# EAGLE board Mk4 Final Panel (EAGLE 9.0.1), part 9 of 18 (continued)
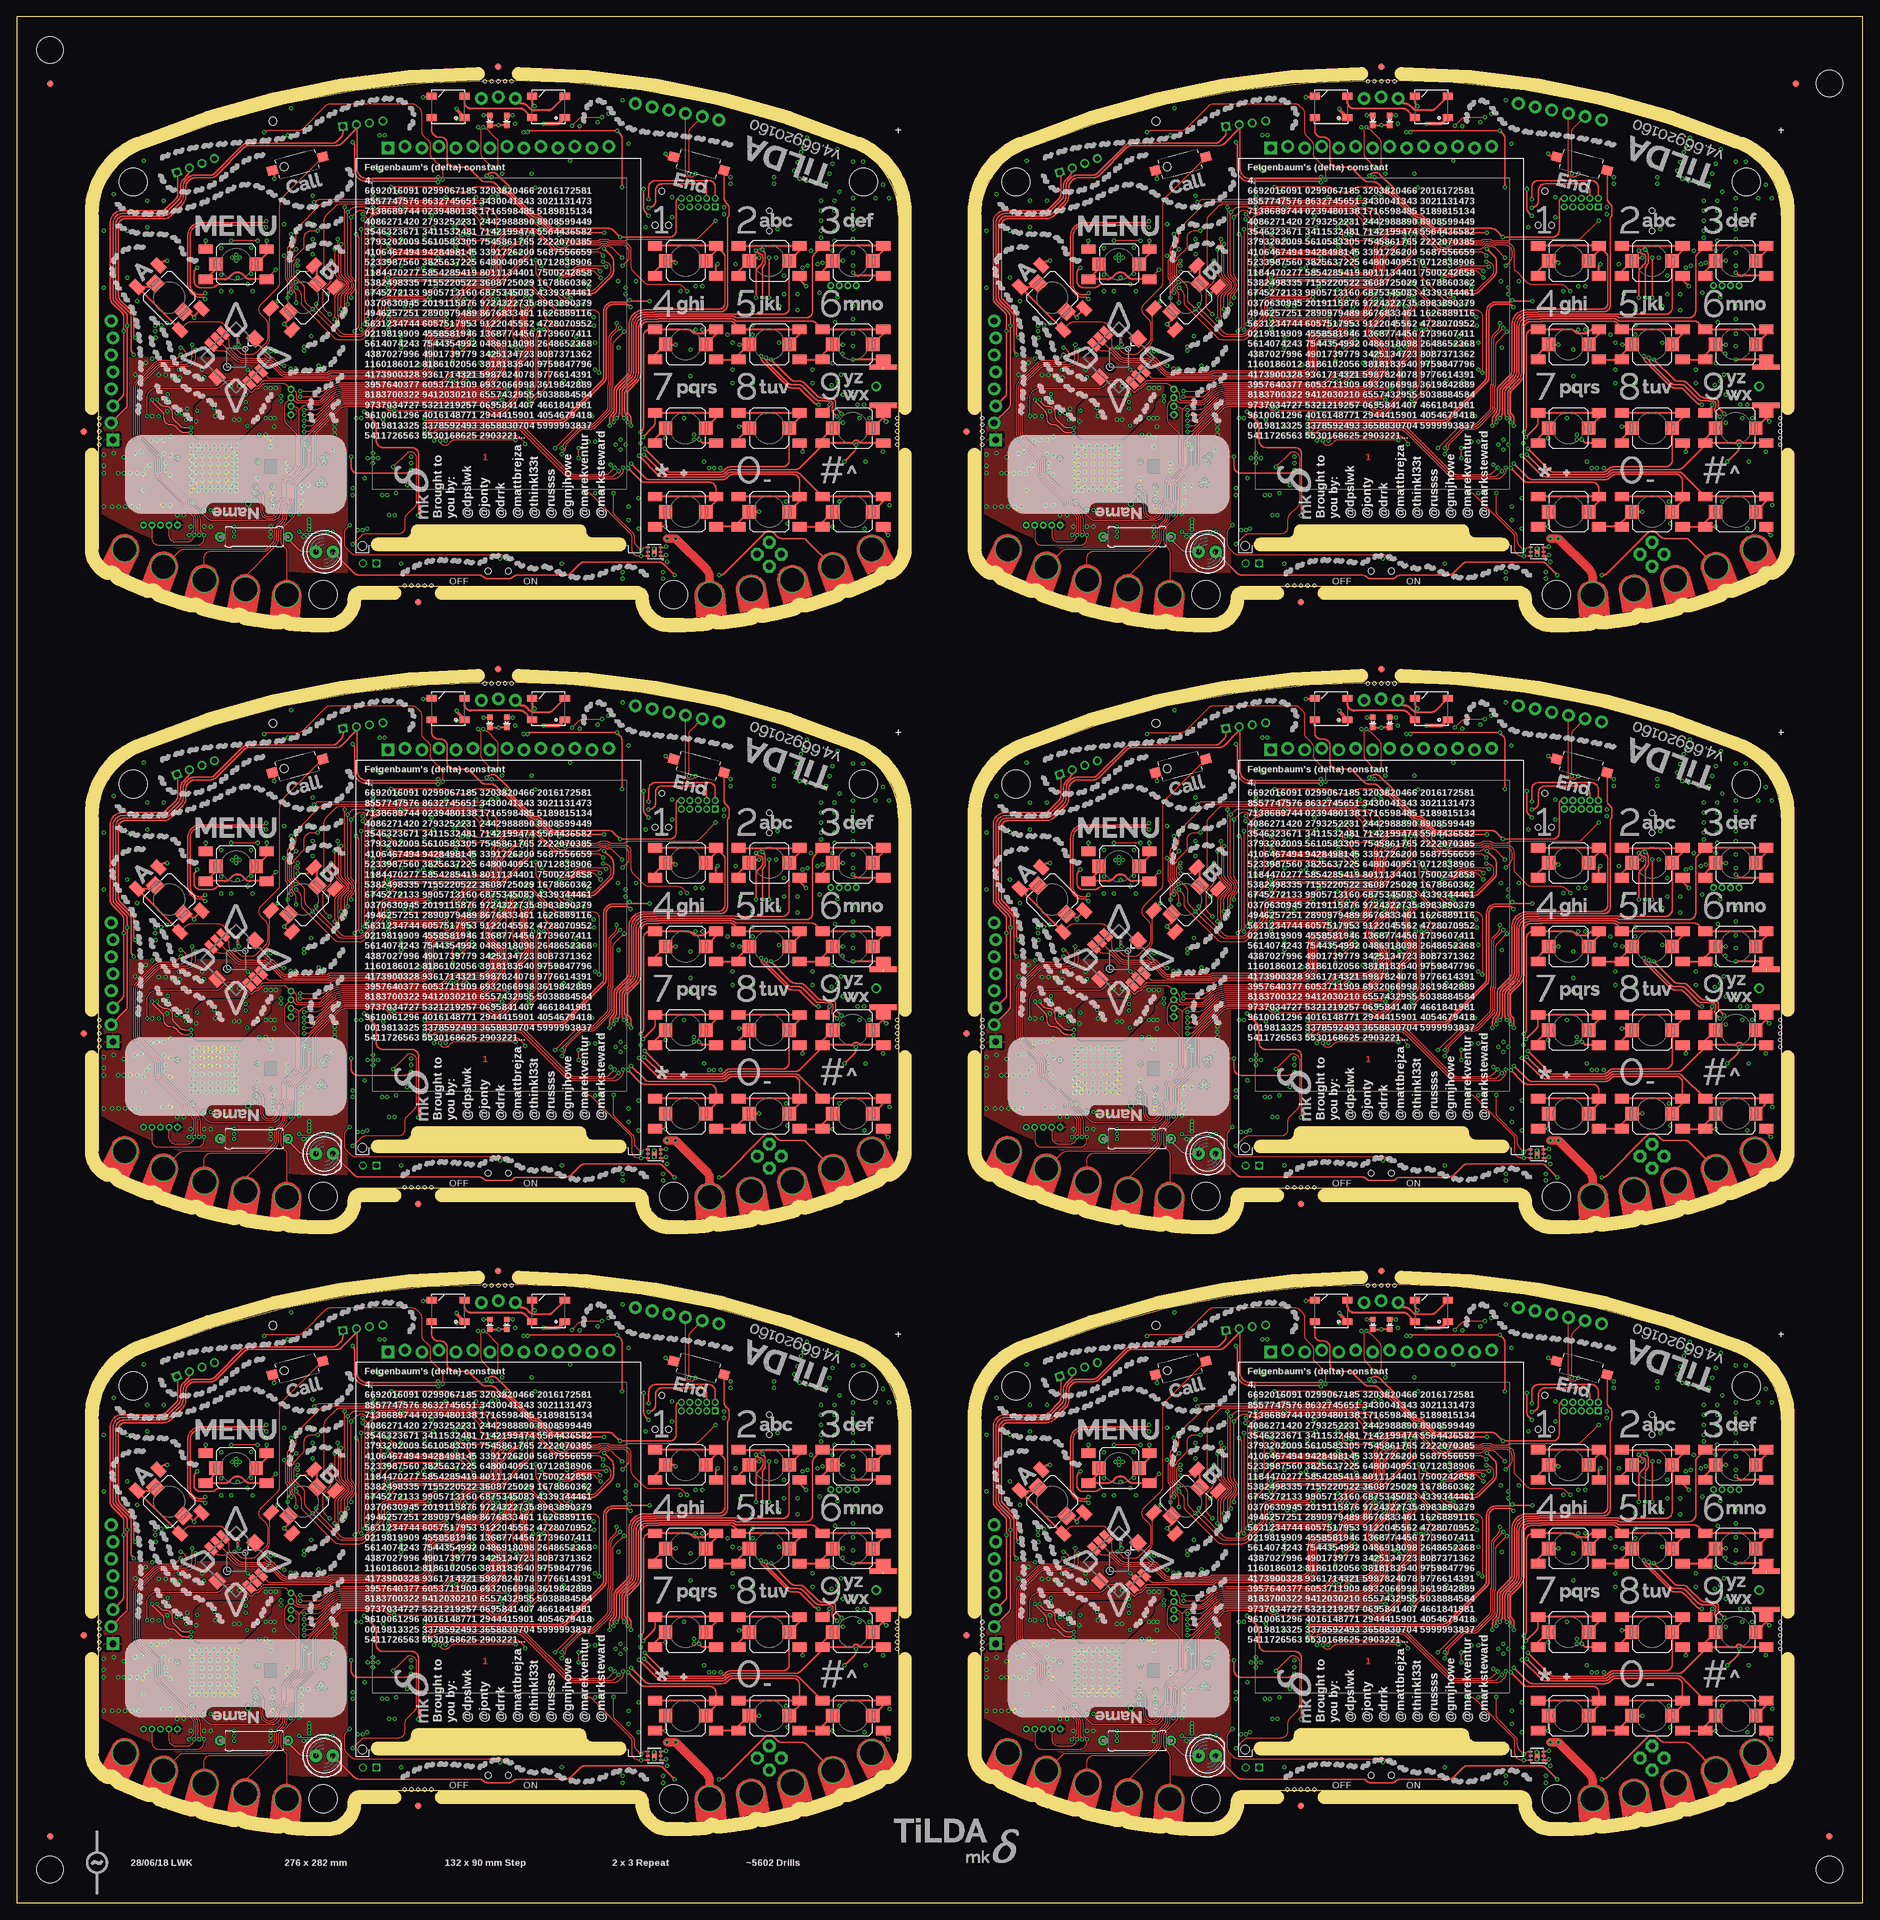
[diagram p0: board, top side]
## Tracks (layer width: path | path; a pad name or v marks a point on that pad's centre or on a via) (continued)
  pour Bottom (rank 2, no thermals): 245.5,135 247,135 247,132.5 246.41,132.5 arc45 245.71,132.21 245.29,131.79 arc45 245,131.09 245,129 arc-90 244,128 233.5,128 arc-90 232.5,129 arc-90 233.5,130 241.75,130 arc90 242.75,131 242.75,131.09 arc-45 243.04,131.79 243.71,132.46 arc-45 244.41,132.75 244.59,132.75 arc45 245.29,133.04 245.5,133.25
  pour Bottom (no thermals): 195.5,141.5 195.5,140.2 195.3,140 195.2,140 195,140.2 195,141.25 194.5,141.75 194.5,143.3 194.7,143.5 195.05,143.5 195.25,143.3 195.25,141.75
  pour Bottom: 167.55,150.95 167.55,156.95 arc90 166.55,157.95 163.05,157.95 arc90 162.05,156.95 162.05,150.95 arc90 163.05,149.95 166.55,149.95 arc90
  pour Bottom (no thermals): 181.4,129 181.4,130.1 181.2,130.3 181.2,131.05 181,131.25 179.75,131.25 179.25,130.75 179.25,129.25 179.5,129
  pour Bottom (no thermals): 175.9,116.8 175.9,114.3 arc-90 175.4,113.8 174.45,113.8 arc-90 173.95,114.3 173.95,121.65 arc-90 174.45,122.15 175.55,122.15 arc-90 176.05,121.65 176.05,118.1 arc90 176.55,117.6 177.8,117.6 177.85,117.55 177.85,116.9 177.75,116.8
  pour Top (rank 6): 144.2,141 144.2,118 arc34 181,109 181.5,109 181.5,141
GND4  (via drill 0.3)  (1 unrouted)
  Top 0.15: IC88.3 96.3,202.65 96.25,202.6 IC88.2 | v95.3,201.5 IC88.PAD v95.3,202.5
  Top 0.2: 96.3,202.65 96.95,202.65 v97.05,202.75
  Top 0.3: S91.1 107.95,218.95 S91.A1 | S87.A1 95.45,218.95 S87.1 v97,219 | S88.A1 95.45,206 95.7,205.75 v97,205.75 S88.1 | S96.1 120.45,206.45 S96.A1 | S95.1 129.55,222.05 S95.A1 | 120.45,243.5 120.45,243.95 S93.1 v123.5,245.5 | 120.45,243.5 S93.A1 | S89.A1 107.95,243.95 S89.1 110,246 v111,246 | S85.A1 95.45,243.95 S85.1 98.25,245.5 v98.5,245.25 | S86.A1 95.45,231.45 S86.1 v98.5,233 | 107.95,231 107.95,231.45 S90.1 v108.05,233 | 107.95,231 S90.A1 | S85.A2 104.55,244.8 v104.75,245 | 120.2,243.25 120.45,243.5 | S94.A2 v125,230.75 | v123.5,233 S94.1 120.45,231.45 S94.A1 S90.A2 | 104.5,218.3 S87.A2 102.5,218.25 v102,218.75 | S91.1 109,221 | S96.A2 129.5,205.75 129.5,205.25 v130.25,204.5 | S92.A2 S96.A1 | v111,208 S92.1 107.95,206.45 S92.A1 S88.A2 | S86.A2 107.7,230.75 107.95,231 | S101.1 97.49,261.01 v97,261.5 | LED27.C v72.03,265.75 LED28.C | LED25.3 61.95,270 v60.75,270 | S93.A2 125.91,243.25 arc-45 125.21,243.54 v125,243.75 | 27.61,238.39 S98.A1 26.5,237.26 v26.5,237 25.62,237.88 S98.1 | S98.A2 21.57,245.21 arc-45 22.28,245.5 v22.5,245.5 | S96.A1 v122,205.75 | S89.A2 117.05,242.7 v118,241.75 | S91.1 109.25,220.75 v108,220.75 | S91.A2 117.5,217.8 v117.5,217 | S99.A2 v28.25,248.5 | S99.1 37.35,246.55 S99.A1 v37.35,248.5 | S100.1 38.5,258.72 v38.5,257.75 | S97.A1 40.81,235.19 v40,236 40.68,236.68 S97.1 | v46.5,240.5 47.61,241.61 S97.A2 | LED26.3 77.05,269.36 arc45 77.34,268.66 v77.4,268.6 | S95.A2 121.5,223.8 v121.5,224 | S95.A1 129.55,221.95 v130,221.5 | S95.A1 129.53,222.76 J49.G@4
  Top 0.4: S94.A2 129.53,230.74 J49.G@3
  GND@3 0.4: v34.45,220.85 31.8,218.2 v31.8,217.85 | v29.5,223.5 28.75,222.75 28.75,218.6 v29.5,217.85 | v27,223.1 27.75,222.35 27.75,218.4 v28.3,217.85
  Bottom 0.15: J41.32 68.75,230.25 | J41.31 69.25,230 | J41.30 69.75,230 | J41.29 70.25,230 | J41.28 70.75,230 | J41.27 71.25,230 | J41.26 71.75,230 | J41.25 72.25,230 | J41.24 72.75,230 | J41.23 73.25,230 | J41.22 73.75,230 | J41.21 74.25,230 | J41.20 74.75,230 | J41.19 75.25,230 | J41.18 75.75,230 | J41.17 76.25,230 | J41.16 76.75,230 | J41.15 77.25,230 | J41.14 77.75,230 | J41.13 78.25,230 | J41.12 78.75,230 | J41.11 79.25,230 | IC74.58 v65.6,248.8 | IC74.55 v65.6,247.6 | IC77.3 87.05,266 v86.85,266.2 | ANT10.3 118.79,263.9 v118.15,263.9 | v117.7,262.75 117.8,262.65 117.94,262.65 117.84,262.75 v117.7,262.75 | ANT10.2 118.05,262.4 v117.7,262.75 | ANT10.4 122.28,262.2 v122.75,262.2 | IC83.PAD v30.1,215.1 | IC83.PAD v28.9,215.1 | IC83.PAD v28.9,213.9 | IC83.PAD v30.1,213.9 | v28.9,216.3 29.5,216.9 v29.5,217.85 | v28.3,217.85 28.3,216.9 v27.7,216.3 27.75,216.35 | v31.3,216.3 31.3,217.35 v31.8,217.85 | v87.5,210.75 C534.2 88,211.5 arc90 88.5,212 88.5,212.5 arc90 88,213 IC86.2 87.46,213 arc45 87.1,212.85 86.9,212.65 arc-45 86.54,212.5 IC86.4 | C536.2 96.45,202.5 | v113.25,258 C485.2 | C488.2 v113.25,257 | C486.2 v106.75,258 | C484.2 v106.75,257 | v30.55,247.4 30.25,247.7 R389.2
  Bottom 0.2: C447.1 74.6,235.85 IC74.10 | IC74.17 71.8,236.01 arc-45 71.65,235.65 C446.1 v71.5,234.75 | IC74.48 63.46,244.8 arc-45 C444.1 | IC74.114 80.74,244.4 arc45 81.44,244.69 C443.1 | IC74.80 71.8,254.05 71.97,254.22 | X20.4 19.88,213.43 19.7,213.6 v18.9,213.6 | X20.2 21.73,209.07 v21.8,209 | IC85.23 87.8,218.75 arc-45 87.66,218.81 87.25,219.22 arc-90 87.25,219.25 | 87.25,219.25 v87.25,219.5 | IC85.24 87.25,219.25 | IC85.18 89,215.25 v88.75,215 | IC85.9 v93.25,218.25 | IC78.17 52.5,213.5 v52,213 IC78.18 | J44.GND4 123,208.05 | 96.45,202.5 arc45 v97.05,202.75 | v37.3,249.5 C538.2 | IC80.4 93.97,249.72 C503.1
  Bottom 0.25: J41.50 59.75,229.45 v60.25,229.95 | J41.49 v60.25,229.95 | J41.48 60.75,229.45 v60.25,229.95 | J41.43 63.25,230 | J41.6 v81.75,227.5 | v74,232.75 74,233.62 C448.1 74.25,234.12 C447.1 | v62,245.1 C444.1 | v82.25,244.75 C443.1 | v72,255 C445.1 71.97,254.22 | C442.1 C450.1 v73,256.45 | v61,249.25 R321.2 | C449.1 71.05,256.25 v71.65,255.65 | v81.5,200.25 S103.1 | v57.5,200.25 S104.1 | C453.1 v68.7,255 | C452.1 v64.1,255 | v77.5,256.45 C451.1 | R383.2 v31.25,207.75 | v33.35,245.95 IC82.PAD v32.8,245.5 | C468.2 44.88,207.22 | v91.45,263 C439.1 | v74.5,266 C437.1
  Bottom 0.3: 83.45,266.3 v84.15,265.6 | v38,219 R382.2 | v20.25,222.25 C511.1 | v22.5,223 22.62,222.88 C516.2 | v102.5,235.25 C494.2 | v101.5,235.25 C491.2 | v102.5,241.75 C490.2 | C492.2 v101.5,241.75 | IC75.8 106.1,234.65 v106.25,234.5 | R356.2 v100.75,232.25 | R348.2 v100.75,226.25 | R355.2 v100.75,228.25 | IC75.13 108.1,240.65 v108.25,240.5 | IC75.21 116.9,240.65 v116.75,240.5 | Q19.2 100.65,222.15 R346.2 v99.75,222 | C503.1 v94,250.5 | v98,252 97.91,252.09 JP37.5 | C496.1 v105.75,253.5 | IC81.7 99.19,241.81 R367.1 v99.25,241 | v107.5,245 C481.1 | v111,246 110.5,245.5 C480.1 | C479.1 v113.5,246 | J44.GND3 117.21,218.06 arc-45 117.5,217.36 v117.5,217 | 129.38,220.5 J44.GND2 129.5,220.59 arc-45 129.79,221.29 v130,221.5 | 130.17,218 J44.C4 129.79,217.74 arc45 129.5,217.04 v129.5,217 | v130.5,209 130.38,209 J44.GND1 | v115.25,206.25 R371.2 116.92,206.25 Q18.2 | C482.1 v126.75,205.5 | J44.C5 122.85,209.65 v123,209.5 123,208.05 | v115,209.5 115.23,209.27 116.25,209.27 J44.GND6 | C436.1 v82.25,239 | C441.1 v85,242.25 | C440.1 v85,243.5 | Q17.4 Q17.EP2 | C462.1 v57.5,234.25 | IC73.28 43.07,234.25 v44,234.25 | C458.1 v40,246.25 | IC73.46 44.2,248.7 v44.25,248.75 | C461.1 v40,251 | IC73.54 43.89,255.1 arc45 v44.25,255.25 | IC73.52 v44.25,253.5 | C460.1 v56.75,255.75 | C456.1 v57.5,253.5 | IC73.6 53.4,251.1 v53.25,251.25 | C457.1 v57.5,248.75 | C459.1 v57.5,244.75 | R331.1 v59,215.25 | R333.2 v59,216.25 | R335.2 54.15,221.5 arc45 v54.75,221.75 | v38,232 C477.1 | v38.75,232 38.75,231.5 C477.1 | v37.25,232 37.25,231.5 C477.1 | IC73.12 53.3,246.3 v53.25,246.25 | R375.2 v21.25,228.45 | R376.2 v22.25,228.45 | R363.2 v91,240.5 | v32.05,240.95 C509.2 | v114.75,240.5 114.7,240.55 IC75.19 114.7,243.2 v114.75,243.25
  Bottom 0.3: R373.2 41.95,207.5 v42.2,207.75 | IC85.25 v89.5,218 | v72.6,258.55 72.67,258.55 X18.4 | X18.2 76.83,258.55 v76.95,258.55 | v88.5,267.5 C454.1 | v90.6,269.5 R325.2 | C438.1 v82.75,260.5 | C495.1 v89.9,242.45 | J46.8 J46.4 | J48.8 J48.4 | IC73.41 42.05,244.7 v42,244.75 | J44.GND5 123.11,220.91 v123.5,221.3 122.94,221.3 arc-45 122.23,221.59 IC79.3 | IC75.33 119.3,226.95 v119,227.25 | v123.45,231.6 C497.1 | v122.7,226.5 D10.2 | v122.7,227.5 C498.1 | v17.75,216.75 C501.1 | v14.5,216.75 C502.1 | 38.55,222.8 C519.2 37.95,222.8 | IC89.2 v96.6,199 | C539.2 v90.6,198 | IC89.3 v96.6,198 | v119,229.25 119.1,229.15 IC75.31
  Bottom 0.35: v38.55,222 38.55,222.8 | v37.95,222 37.95,222.8
  Bottom 0.4: C521.2 34.1,220.5 v34.45,220.85 | v37.25,219.5 C515.2 | v38,217.75 C527.2 | C517.2 34.12,225.62 v34.25,225.5 | C517.2 v33.25,226.75 | v32,226.75 C518.2 C517.2 | C522.2 28.9,222.9 v29.5,223.5 29.4,223.4 | C520.2 v27,223.1 | v25.5,223.4 26.1,222.8 C514.2 | v40.5,214.25 C532.1 | v40.5,215.25 C533.1 | v38.25,210.75 C528.2 | C524.2 v36,213 | C510.1 v27.75,229.25 | C530.1 v22.95,213.5 | C526.2 v22.25,214.25 | C512.2 v22.25,215.25 | C531.1 v22.95,209 | R374.2 v24,207.5 | R377.2 v25,207.5 | R384.2 v26,205.75 | C529.2 v29,205.75 | C523.2 v28,205.75 | v38.5,220.75 C525.2 37.4,221.64 arc45 v37.25,222 | IC84.4 21.12,234.16 arc45 v20.75,234 | v38.25,208.75 R341.2 | v85.5,218.5 C455.1 | v50.25,210.5 50.85,210.5 C475.2 50.85,211.5 v50.25,211.5 | S102.2 71.4,201 v72.25,201 | Q17.EP2 86.4,229.35 v86.5,229.25 | v86.5,233.25 IC76.4 | 48.75,220.75 C476.2 48.38,220.25 v47.5,220.25 | 48.62,221 v47.5,221 | C472.2 47.6,219.4 v47.5,219.5 | v47.25,217.25 47.25,216.32 C473.1 | 13,213.6 v13,213.75 ANT9.4 | ANT9.3 v13,208.75 | ANT9.2 14.25,209.7 v14.25,208.75 | C478.1 v38,205 | C478.1 37.5,205.75 v38,205.75 | C478.1 37.5,204.25 v38,204.25 | J47.4 40.94,263.81 v40.5,264.25 | C435.2 65.88,266.62 v65.75,266.75 | IC90.3 99.26,200.15 arc-45 98.56,200.44 C540.2 97.68,200.68 arc-45 v97.25,200.5 | TP93.TP 43.75,212.1 v43.6,211.95
  Bottom 0.5: v24.35,228.05 24.35,227.5 C513.2 23.35,227.5 v23.35,228.05
  Bottom 1: J42.1 93.05,206.8 C470.2 | C470.2 91.6,206.85 v91.5,206.75 | C470.2 v93,205.5 | v58.35,212 C471.2 56.65,210.85 v56.75,210.75
  other vias: 69.25,230.25 78.75,230.25 62.9,233.15 32.8,246.4 32.25,245.95 122.7,240.1 122.35,236.35 122,260 121.5,258.5 121,257 119.5,257 118,257.5 117,257.75 116.25,259 116.75,260.25 117.25,261.75 27.7,215.1 27.7,213.9 27.7,212.7 28.9,212.7 30.1,212.7 31.3,212.7 31.3,213.9 31.3,215.1 30.1,216.3 23,219.25 23,216.35 19,211.2 18.25,208.75 17.25,208.75 16.25,208.75 15.25,208.75 18,213.75 17,213.75 16,213.75 15.2,213.75 91,218 90.25,218.75 90.25,217.25 101.25,219.5 101.25,218.75 126,222 125,232.75 125,234.65 125,236.75 125,238.75 125,244.75 125,246.75 125,248.75 125,253.25 125,254.85 128.4,254.85 130.4,254.85 53.25,216 54,216 53.25,216.75 53.25,215.25 52.5,216 35.3,240.95 30.55,240.95 30.55,243.45 35.05,243.55 35.05,247.45 43.7,206.85 43.7,206.35 43.7,205.35 43.7,205.85 42.9,204.25 43.6,204.25 42.6,211.95 42.5,210.95 42.5,208.75 42.5,209.55 26.75,215.1 26.75,213.9 26.75,212.7 26.75,216.3 32.25,215.1 32.25,213.9 32.25,212.7 32.25,216.3 27.7,211.75 28.9,211.75 30.1,211.75 31.3,211.75 27.7,217.25 28.9,217.25 30.1,217.25 31.3,217.25 32.25,211.75 32.25,217.25 26.75,217.25 26.75,211.75 30.7,217.85 27.2,217.85 26.15,217.85 26.15,216.8 29.5,211.15 30.7,211.15 31.9,211.15 28.3,211.15 27.2,211.15 32.85,214.45 32.85,213.25 32.85,212.05 32.85,215.65 26.15,214.5 26.15,213.3 26.15,212.2 26.15,215.7 32.85,216.75 32.85,217.85 32.85,211.15 26.15,211.15 126.7,224 125.7,224 127.5,222 122,230.2 16.5,250 16.5,243 19.5,250.5 19.5,254.5 22,254.5 19,260.5 14.5,255.5 13,250 13,241.5 18,239.5 19.25,230.25 13,216.5 110,227.25 107,227.25 107,229.25 107,233.25 114,233.25 116.7,238.1 114,238.75 120,240.75 123.5,225.5 123.25,228.5 125,250.25 125,251.75 123,255.85 125,260.35 129.5,256.85 126.5,260.35 121.85,226.95 125,225.5 18.6,216.95 19.35,214.45 19.85,214.95 22,216.7 21,218.7 22,218.7 20.1,218.6 122.25,254.5 120.25,254.5 122.25,253 120.25,253 122.25,251.5 120.25,251.5 122.25,250 120.25,250 122.25,248.5 120.25,249 118.75,247 118.25,244.75 117.5,244.5 119.75,245 120.5,245.25 122,247 17.75,228.5 16,216.15 13,214.85 110,238.25 110,234.5 110,235.9
  pour GND@3 (isolate 0.254, rank 6): 12.2,254.5 12.2,201 arc31 44,192 46.7,192 arc90 49.5,194.8 arc-90 51.5,196.8 92.5,196.8 arc-90 94.5,194.8 arc90 97.3,192 100,192 arc31 131.8,201 131.8,224.5 125.5,224.5 125.5,254.5 131.8,254.5 arc64 125.25,262.25 arc24 72,272.5 arc24 18.75,262.25 arc55
  pour Bottom (rank 6): 79.25,228.9 79.25,230.25 79,230.5 69,230.5 68.75,230.25 68.75,228.9
  pour Bottom (isolate 0.254, rank 6): 12.2,254.5 12.2,208 arc9 23,203 23,215 25,215 25,221 23,221 23,223 arc90 22,224 21,224 arc-90 20,225 20,245.71 arc-90 32.79,258.5 40.5,258.5 44,262 102.5,261.5 arc-90 105,259 105,224.5 116.09,224.5 arc-45 116.79,224.21 119.21,221.79 arc45 119.91,221.5 131.8,221.5 131.8,224.5 125.5,224.5 125.5,254.5 131.8,254.5 arc64 125.25,262.25 arc24 72,272.5 arc24 18.75,262.25 arc55
  pour Bottom (rank 2, no thermals): 113.5,225 115,225 115,222.5 114.41,222.5 arc45 113.71,222.21 113.29,221.79 arc45 113,221.09 113,219 arc-90 112,218 101.5,218 arc-90 100.5,219 arc-90 101.5,220 109.75,220 arc90 110.75,221 110.75,221.09 arc-45 111.04,221.79 111.71,222.46 arc-45 112.41,222.75 112.59,222.75 arc45 113.29,223.04 113.5,223.25
  pour Bottom (no thermals): 63.5,231.5 63.5,230.2 63.3,230 63.2,230 63,230.2 63,231.25 62.5,231.75 62.5,233.3 62.7,233.5 63.05,233.5 63.25,233.3 63.25,231.75
  pour Bottom: 35.55,240.95 35.55,246.95 arc90 34.55,247.95 31.05,247.95 arc90 30.05,246.95 30.05,240.95 arc90 31.05,239.95 34.55,239.95 arc90
  pour Bottom (no thermals): 49.4,219 49.4,220.1 49.2,220.3 49.2,221.05 49,221.25 47.75,221.25 47.25,220.75 47.25,219.25 47.5,219
  pour Bottom (no thermals): 43.9,206.8 43.9,204.3 arc-90 43.4,203.8 42.45,203.8 arc-90 41.95,204.3 41.95,211.65 arc-90 42.45,212.15 43.55,212.15 arc-90 44.05,211.65 44.05,208.1 arc90 44.55,207.6 45.8,207.6 45.85,207.55 45.85,206.9 45.75,206.8
  pour Top (rank 6): 12.2,231 12.2,208 arc34 49,199 49.5,199 49.5,231
GND5  (via drill 0.3)  (1 unrouted)
  Top 0.15: IC106.3 228.3,202.65 228.25,202.6 IC106.2 | v227.3,201.5 IC106.PAD v227.3,202.5
  Top 0.2: 228.3,202.65 228.95,202.65 v229.05,202.75
  Top 0.3: S112.1 239.95,218.95 S112.A1 | S108.A1 227.45,218.95 S108.1 v229,219 | S109.A1 227.45,206 227.7,205.75 v229,205.75 S109.1 | S117.1 252.45,206.45 S117.A1 | S116.1 261.55,222.05 S116.A1 | 252.45,243.5 252.45,243.95 S114.1 v255.5,245.5 | 252.45,243.5 S114.A1 | S110.A1 239.95,243.95 S110.1 242,246 v243,246 | S106.A1 227.45,243.95 S106.1 230.25,245.5 v230.5,245.25 | S107.A1 227.45,231.45 S107.1 v230.5,233 | 239.95,231 239.95,231.45 S111.1 v240.05,233 | 239.95,231 S111.A1 | S106.A2 236.55,244.8 v236.75,245 | 252.2,243.25 252.45,243.5 | S115.A2 v257,230.75 | v255.5,233 S115.1 252.45,231.45 S115.A1 S111.A2 | 236.5,218.3 S108.A2 234.5,218.25 v234,218.75 | S112.1 241,221 | S117.A2 261.5,205.75 261.5,205.25 v262.25,204.5 | S113.A2 S117.A1 | v243,208 S113.1 239.95,206.45 S113.A1 S109.A2 | S107.A2 239.7,230.75 239.95,231 | S122.1 229.49,261.01 v229,261.5 | LED33.C v204.03,265.75 LED34.C | LED31.3 193.95,270 v192.75,270 | S114.A2 257.91,243.25 arc-45 257.21,243.54 v257,243.75 | 159.61,238.39 S119.A1 158.5,237.26 v158.5,237 157.62,237.88 S119.1 | S119.A2 153.57,245.21 arc-45 154.28,245.5 v154.5,245.5 | S117.A1 v254,205.75 | S110.A2 249.05,242.7 v250,241.75 | S112.1 241.25,220.75 v240,220.75 | S112.A2 249.5,217.8 v249.5,217 | S120.A2 v160.25,248.5 | S120.1 169.35,246.55 S120.A1 v169.35,248.5 | S121.1 170.5,258.72 v170.5,257.75 | S118.A1 172.81,235.19 v172,236 172.68,236.68 S118.1 | v178.5,240.5 179.61,241.61 S118.A2 | LED32.3 209.05,269.36 arc45 209.34,268.66 v209.4,268.6 | S116.A2 253.5,223.8 v253.5,224 | S116.A1 261.55,221.95 v262,221.5 | S116.A1 261.53,222.76 J59.G@4
  Top 0.4: S115.A2 261.53,230.74 J59.G@3
  GND@3 0.4: v166.45,220.85 163.8,218.2 v163.8,217.85 | v161.5,223.5 160.75,222.75 160.75,218.6 v161.5,217.85 | v159,223.1 159.75,222.35 159.75,218.4 v160.3,217.85
  Bottom 0.15: J51.32 200.75,230.25 | J51.31 201.25,230 | J51.30 201.75,230 | J51.29 202.25,230 | J51.28 202.75,230 | J51.27 203.25,230 | J51.26 203.75,230 | J51.25 204.25,230 | J51.24 204.75,230 | J51.23 205.25,230 | J51.22 205.75,230 | J51.21 206.25,230 | J51.20 206.75,230 | J51.19 207.25,230 | J51.18 207.75,230 | J51.17 208.25,230 | J51.16 208.75,230 | J51.15 209.25,230 | J51.14 209.75,230 | J51.13 210.25,230 | J51.12 210.75,230 | J51.11 211.25,230 | IC92.58 v197.6,248.8 | IC92.55 v197.6,247.6 | IC95.3 219.05,266 v218.85,266.2 | ANT12.3 250.79,263.9 v250.15,263.9 | v249.7,262.75 249.8,262.65 249.94,262.65 249.84,262.75 v249.7,262.75 | ANT12.2 250.05,262.4 v249.7,262.75 | ANT12.4 254.28,262.2 v254.75,262.2 | IC101.PAD v162.1,215.1 | IC101.PAD v160.9,215.1 | IC101.PAD v160.9,213.9 | IC101.PAD v162.1,213.9 | v160.9,216.3 161.5,216.9 v161.5,217.85 | v160.3,217.85 160.3,216.9 v159.7,216.3 159.75,216.35 | v163.3,216.3 163.3,217.35 v163.8,217.85 | v219.5,210.75 C642.2 220,211.5 arc90 220.5,212 220.5,212.5 arc90 220,213 IC104.2 219.46,213 arc45 219.1,212.85 218.9,212.65 arc-45 218.54,212.5 IC104.4 | C644.2 228.45,202.5 | v245.25,258 C593.2 | C596.2 v245.25,257 | C594.2 v238.75,258 | C592.2 v238.75,257 | v162.55,247.4 162.25,247.7 R467.2
  Bottom 0.2: C555.1 206.6,235.85 IC92.10 | IC92.17 203.8,236.01 arc-45 203.65,235.65 C554.1 v203.5,234.75 | IC92.48 195.46,244.8 arc-45 C552.1 | IC92.114 212.74,244.4 arc45 213.44,244.69 C551.1 | IC92.80 203.8,254.05 203.97,254.22 | X24.4 151.88,213.43 151.7,213.6 v150.9,213.6 | X24.2 153.72,209.07 v153.8,209 | IC103.23 219.8,218.75 arc-45 219.66,218.81 219.25,219.22 arc-90 219.25,219.25 | 219.25,219.25 v219.25,219.5 | IC103.24 219.25,219.25 | IC103.18 221,215.25 v220.75,215 | IC103.9 v225.25,218.25 | IC96.17 184.5,213.5 v184,213 IC96.18 | J54.GND4 255,208.05 | 228.45,202.5 arc45 v229.05,202.75 | v169.3,249.5 C646.2 | IC98.4 225.97,249.72 C611.1
  Bottom 0.25: J51.50 191.75,229.45 v192.25,229.95 | J51.49 v192.25,229.95 | J51.48 192.75,229.45 v192.25,229.95 | J51.43 195.25,230 | J51.6 v213.75,227.5 | v206,232.75 206,233.62 C556.1 206.25,234.12 C555.1 | v194,245.1 C552.1 | v214.25,244.75 C551.1 | v204,255 C553.1 203.97,254.22 | C550.1 C558.1 v205,256.45 | v193,249.25 R399.2 | C557.1 203.05,256.25 v203.65,255.65 | v213.5,200.25 S124.1 | v189.5,200.25 S125.1 | C561.1 v200.7,255 | C560.1 v196.1,255 | v209.5,256.45 C559.1 | R461.2 v163.25,207.75 | v165.35,245.95 IC100.PAD v164.8,245.5 | C576.2 176.88,207.22 | v223.45,263 C547.1 | v206.5,266 C545.1
  Bottom 0.3: 215.45,266.3 v216.15,265.6 | v170,219 R460.2 | v152.25,222.25 C619.1 | v154.5,223 154.62,222.88 C624.2 | v234.5,235.25 C602.2 | v233.5,235.25 C599.2 | v234.5,241.75 C598.2 | C600.2 v233.5,241.75 | IC93.8 238.1,234.65 v238.25,234.5 | R434.2 v232.75,232.25 | R426.2 v232.75,226.25 | R433.2 v232.75,228.25 | IC93.13 240.1,240.65 v240.25,240.5 | IC93.21 248.9,240.65 v248.75,240.5 | Q23.2 232.65,222.15 R424.2 v231.75,222 | C611.1 v226,250.5 | v230,252 229.91,252.09 JP46.5 | C604.1 v237.75,253.5 | IC99.7 231.19,241.81 R445.1 v231.25,241 | v239.5,245 C589.1 | v243,246 242.5,245.5 C588.1 | C587.1 v245.5,246 | J54.GND3 249.21,218.06 arc-45 249.5,217.36 v249.5,217 | 261.38,220.5 J54.GND2 261.5,220.59 arc-45 261.79,221.29 v262,221.5 | 262.17,218 J54.C4 261.79,217.74 arc45 261.5,217.04 v261.5,217 | v262.5,209 262.38,209 J54.GND1 | v247.25,206.25 R449.2 248.93,206.25 Q22.2 | C590.1 v258.75,205.5 | J54.C5 254.85,209.65 v255,209.5 255,208.05 | v247,209.5 247.23,209.27 248.25,209.27 J54.GND6 | C544.1 v214.25,239 | C549.1 v217,242.25 | C548.1 v217,243.5 | Q21.4 Q21.EP2 | C570.1 v189.5,234.25 | IC91.28 175.07,234.25 v176,234.25 | C566.1 v172,246.25 | IC91.46 176.2,248.7 v176.25,248.75 | C569.1 v172,251 | IC91.54 175.89,255.1 arc45 v176.25,255.25 | IC91.52 v176.25,253.5 | C568.1 v188.75,255.75 | C564.1 v189.5,253.5 | IC91.6 185.4,251.1 v185.25,251.25 | C565.1 v189.5,248.75 | C567.1 v189.5,244.75 | R409.1 v191,215.25 | R411.2 v191,216.25 | R413.2 186.15,221.5 arc45 v186.75,221.75 | v170,232 C585.1 | v170.75,232 170.75,231.5 C585.1 | v169.25,232 169.25,231.5 C585.1 | IC91.12 185.3,246.3 v185.25,246.25 | R453.2 v153.25,228.45 | R454.2 v154.25,228.45 | R441.2 v223,240.5
  Bottom 0.3: v164.05,240.95 C617.2 | v246.75,240.5 246.7,240.55 IC93.19 246.7,243.2 v246.75,243.25 | R451.2 173.95,207.5 v174.2,207.75 | IC103.25 v221.5,218 | v204.6,258.55 204.68,258.55 X22.4 | X22.2 208.82,258.55 v208.95,258.55 | v220.5,267.5 C562.1 | v222.6,269.5 R403.2 | C546.1 v214.75,260.5 | C603.1 v221.9,242.45 | J56.8 J56.4 | J58.8 J58.4 | IC91.41 174.05,244.7 v174,244.75 | J54.GND5 255.11,220.91 v255.5,221.3 254.94,221.3 arc-45 254.23,221.59 IC97.3 | IC93.33 251.3,226.95 v251,227.25 | v255.45,231.6 C605.1 | v254.7,226.5 D12.2 | v254.7,227.5 C606.1 | v149.75,216.75 C609.1 | v146.5,216.75 C610.1 | 170.55,222.8 C627.2 169.95,222.8 | IC107.2 v228.6,199 | C647.2 v222.6,198 | IC107.3 v228.6,198 | v251,229.25 251.1,229.15 IC93.31
  Bottom 0.35: v170.55,222 170.55,222.8 | v169.95,222 169.95,222.8
  Bottom 0.4: C629.2 166.1,220.5 v166.45,220.85 | v169.25,219.5 C623.2 | v170,217.75 C635.2 | C625.2 166.12,225.62 v166.25,225.5 | C625.2 v165.25,226.75 | v164,226.75 C626.2 C625.2 | C630.2 160.9,222.9 v161.5,223.5 161.4,223.4 | C628.2 v159,223.1 | v157.5,223.4 158.1,222.8 C622.2 | v172.5,214.25 C640.1 | v172.5,215.25 C641.1 | v170.25,210.75 C636.2 | C632.2 v168,213 | C618.1 v159.75,229.25 | C638.1 v154.95,213.5 | C634.2 v154.25,214.25 | C620.2 v154.25,215.25 | C639.1 v154.95,209 | R452.2 v156,207.5 | R455.2 v157,207.5 | R462.2 v158,205.75 | C637.2 v161,205.75 | C631.2 v160,205.75 | v170.5,220.75 C633.2 169.4,221.64 arc45 v169.25,222 | IC102.4 153.12,234.16 arc45 v152.75,234 | v170.25,208.75 R419.2 | v217.5,218.5 C563.1 | v182.25,210.5 182.85,210.5 C583.2 182.85,211.5 v182.25,211.5 | S123.2 203.4,201 v204.25,201 | Q21.EP2 218.4,229.35 v218.5,229.25 | v218.5,233.25 IC94.4 | 180.75,220.75 C584.2 180.38,220.25 v179.5,220.25 | 180.62,221 v179.5,221 | C580.2 179.6,219.4 v179.5,219.5 | v179.25,217.25 179.25,216.32 C581.1 | 145,213.6 v145,213.75 ANT11.4 | ANT11.3 v145,208.75 | ANT11.2 146.25,209.7 v146.25,208.75 | C586.1 v170,205 | C586.1 169.5,205.75 v170,205.75 | C586.1 169.5,204.25 v170,204.25 | J57.4 172.94,263.81 v172.5,264.25 | C543.2 197.88,266.62 v197.75,266.75 | IC108.3 231.26,200.15 arc-45 230.56,200.44 C648.2 229.68,200.68 arc-45 v229.25,200.5 | TP112.TP 175.75,212.1 v175.6,211.95
  Bottom 0.5: v156.35,228.05 156.35,227.5 C621.2 155.35,227.5 v155.35,228.05
  Bottom 1: J52.1 225.05,206.8 C578.2 | C578.2 223.6,206.85 v223.5,206.75 | C578.2 v225,205.5 | v190.35,212 C579.2 188.65,210.85 v188.75,210.75
  other vias: 201.25,230.25 210.75,230.25 194.9,233.15 164.8,246.4 164.25,245.95 254.7,240.1 254.35,236.35 254,260 253.5,258.5 253,257 251.5,257 250,257.5 249,257.75 248.25,259 248.75,260.25 249.25,261.75 159.7,215.1 159.7,213.9 159.7,212.7 160.9,212.7 162.1,212.7 163.3,212.7 163.3,213.9 163.3,215.1 162.1,216.3 155,219.25 155,216.35 151,211.2 150.25,208.75 149.25,208.75 148.25,208.75 147.25,208.75 150,213.75 149,213.75 148,213.75 147.2,213.75 223,218 222.25,218.75 222.25,217.25 233.25,219.5 233.25,218.75 258,222 257,232.75 257,234.65 257,236.75 257,238.75 257,244.75 257,246.75 257,248.75 257,253.25 257,254.85 260.4,254.85 262.4,254.85 185.25,216 186,216 185.25,216.75 185.25,215.25 184.5,216 167.3,240.95 162.55,240.95 162.55,243.45 167.05,243.55 167.05,247.45 175.7,206.85 175.7,206.35 175.7,205.35 175.7,205.85 174.9,204.25 175.6,204.25 174.6,211.95 174.5,210.95 174.5,208.75 174.5,209.55 158.75,215.1 158.75,213.9 158.75,212.7 158.75,216.3 164.25,215.1 164.25,213.9 164.25,212.7 164.25,216.3 159.7,211.75 160.9,211.75 162.1,211.75 163.3,211.75 159.7,217.25 160.9,217.25 162.1,217.25 163.3,217.25 164.25,211.75 164.25,217.25 158.75,217.25 158.75,211.75 162.7,217.85 159.2,217.85 158.15,217.85 158.15,216.8 161.5,211.15 162.7,211.15 163.9,211.15 160.3,211.15 159.2,211.15 164.85,214.45 164.85,213.25 164.85,212.05 164.85,215.65 158.15,214.5 158.15,213.3 158.15,212.2 158.15,215.7 164.85,216.75 164.85,217.85 164.85,211.15 158.15,211.15 258.7,224 257.7,224 259.5,222 254,230.2 148.5,250 148.5,243 151.5,250.5 151.5,254.5 154,254.5 151,260.5 146.5,255.5 145,250 145,241.5 150,239.5 151.25,230.25 145,216.5 242,227.25 239,227.25 239,229.25 239,233.25 246,233.25 248.7,238.1 246,238.75 252,240.75 255.5,225.5 255.25,228.5 257,250.25 257,251.75 255,255.85 257,260.35 261.5,256.85 258.5,260.35 253.85,226.95 257,225.5 150.6,216.95 151.35,214.45 151.85,214.95 154,216.7 153,218.7 154,218.7 152.1,218.6 254.25,254.5 252.25,254.5 254.25,253 252.25,253 254.25,251.5 252.25,251.5 254.25,250 252.25,250 254.25,248.5 252.25,249 250.75,247 250.25,244.75 249.5,244.5 251.75,245 252.5,245.25 254,247 149.75,228.5 148,216.15 145,214.85 242,238.25 242,234.5 242,235.9
  pour GND@3 (isolate 0.254, rank 6): 144.2,254.5 144.2,201 arc31 176,192 178.7,192 arc90 181.5,194.8 arc-90 183.5,196.8 224.5,196.8 arc-90 226.5,194.8 arc90 229.3,192 232,192 arc31 263.8,201 263.8,224.5 257.5,224.5 257.5,254.5 263.8,254.5 arc64 257.25,262.25 arc24 204,272.5 arc24 150.75,262.25 arc55
  pour Bottom (rank 6): 211.25,228.9 211.25,230.25 211,230.5 201,230.5 200.75,230.25 200.75,228.9
  pour Bottom (isolate 0.254, rank 6): 144.2,254.5 144.2,208 arc9 155,203 155,215 157,215 157,221 155,221 155,223 arc90 154,224 153,224 arc-90 152,225 152,245.71 arc-90 164.79,258.5 172.5,258.5 176,262 234.5,261.5 arc-90 237,259 237,224.5 248.09,224.5 arc-45 248.79,224.21 251.21,221.79 arc45 251.91,221.5 263.8,221.5 263.8,224.5 257.5,224.5 257.5,254.5 263.8,254.5 arc64 257.25,262.25 arc24 204,272.5 arc24 150.75,262.25 arc55